# KiCad board chromogram.kicad_pcb (continued)
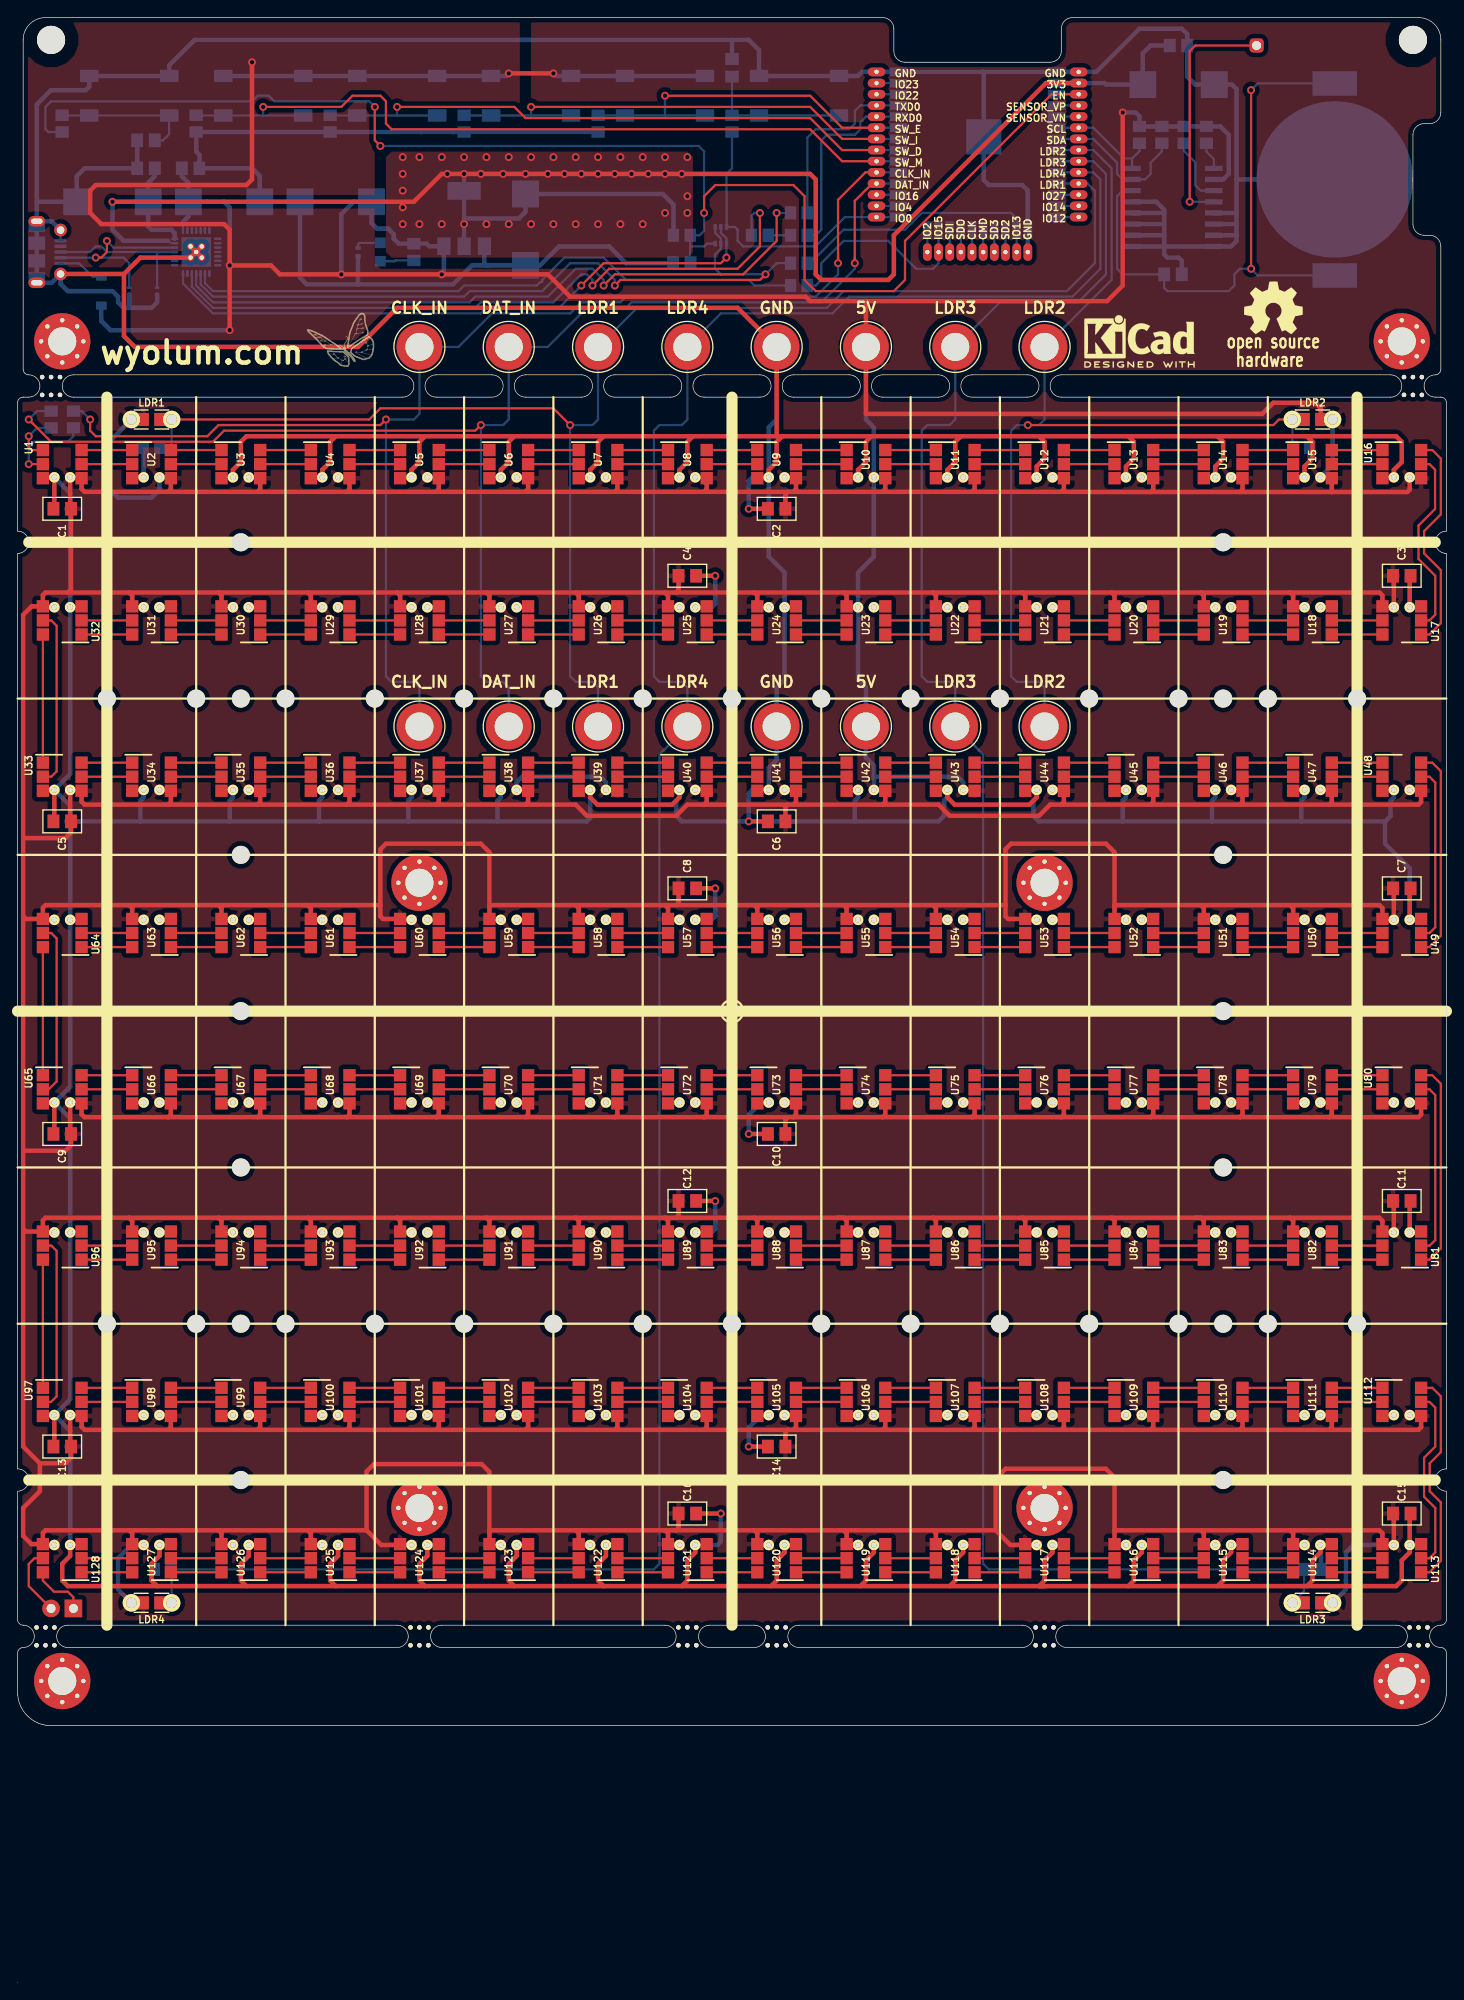
[diagram p0: board, top side]
## Routing (per net, layer and track width the routed paths; a pad name or vN(x,y) marks a point on that pad's centre or on a via; arc(x,y) is an arc through that point) (continued)
  Bottom w0.152: 18.82,200.28 18.82,199.88 18.82,199.88 U132.8
  Bottom w0.508: 48.5,197.49 U131.3 ; U131.3 46.84,197.51 46.55,197.8 R4.1 43.37,197.8 42.8,198.37 42.8,198.88 42.16,199.52 40.89,199.52 40.26,200.15 C17.1 38.23,202.56 36.83,201.17 v1(36.83,194.31) ; U131.3 48.5,194.55 v1(48.26,194.31) ; LDR3.1 151.13,44.7 151.13,48.89 152,49.76 U113.4 ; LDR4.1 11.43,44.7 11.43,48.26 12.93,49.76 U127.4 ; 148.22,171.22 149.61,172.61 LDR2.1 ; LDR1.1 10.16,175.01 10.16,170.18 11.43,168.91 15.24,168.91 16.14,169.81 U2.4 ; 97.42,137.16 97.42,138.44 96.52,139.34 J15.1 96.52,147.32 95.62,148.22 U23.4 95.62,160.39 97.42,162.19 U10.4 97.42,176.9 96.52,177.8 J7.1 ; 97.42,137.16 U42.4 ; 97.42,137.16 106.93,137.16 107.58,136.51 U43.4 ; C25.1 19.43,204.72 18.68,205.47 C26.1 ; C25.1 19.43,200.89 18.82,200.28 ; C25.1 23.49,202.56 24.13,201.93 v1(24.13,195.33) ; v1(55.88,217.17) 55.59,216.88 S2.1 S5.3 S5.1 S6.3 26.67,216.88 ; U130.2 137.16,205.1 137.8,205.74 137.8,210.19 136.84,211.14 R7.1 R6.1 R9.1 R8.1 127.64,212.3 127.21,212.72 v1(125.73,212.72) ; S6.1 26.67,216.88 ; 26.67,216.88 v1(26.67,218.44) ; v1(60.96,217.17) 61.25,216.88 S1.1 S1.3 ; v1(24.13,187.96) 10.56,187.96 9.52,189 9.52,190.75 ; 56.78,135.66 56.78,136.51 57.43,137.16 66.29,137.16 66.94,136.51 U39.4
GND: length 1676
  Top w0.508: 148.22,120.88 149.42,120.88 U50.3 ; C15.1 158.38,53.24 158.38,49.76 ; 12.11,194.35 12.11,187.28 13.34,186.06 38.74,186.06 43.18,190.5 81.92,190.5 J8.1 86.36,175.89 ; 12.11,194.35 13.97,196.21 U132.29 U132.29 ; 12.11,194.35 P1.6 ; U21.3 118.94,156.44 U21.3 ; 145.12,100 145.22,100.1 U79.3 ; 46.35,175.89 56.52,175.89 ; 46.35,175.89 36.2,175.89 ; 46.35,175.89 45.72,175.26 45.72,172.97 44.82,172.07 U5.3 43.62,171.22 U5.3 ; 56.52,175.89 55.88,175.26 55.88,172.97 54.98,172.07 U6.3 53.78,171.22 U6.3 ; 56.52,175.89 66.68,175.89 ; U112.3 155.38,64.54 155.28,64.44 ; U56.3 88.46,120.88 U56.3 ; 126.37,45.08 116.21,45.08 ; 126.37,45.08 127,45.72 127,48.01 127.9,48.91 U116.3 129.1,49.76 U116.3 ; 126.37,45.08 136.53,45.08 ; 116.21,45.08 116.84,45.08 106.05,45.08 ; 116.21,45.08 116.84,45.72 116.84,48.01 117.74,48.91 U117.3 118.94,49.76 U117.3 ; U62.3 27.5,120.88 U62.3 ; U122.3 68.14,49.76 U122.3 66.94,48.53 66.04,47.62 66.04,45.72 66.68,45.08 ; 76.84,175.89 76.2,175.26 76.2,172.97 75.3,172.07 U8.3 74.1,171.22 U8.3 ; 76.84,175.89 66.68,175.89 ; 76.84,175.89 86.36,175.89 ; C11.1 158.38,88.8 158.38,85.32 159.58,85.32 U81.3 ; U49.3 159.58,120.88 158.38,120.88 158.38,124.36 C7.1 ; 107.31,175.89 106.68,175.26 106.68,172.97 105.78,172.07 U11.3 104.58,171.22 U11.3 ; 107.31,175.89 116.21,175.89 ; 107.31,175.89 97.16,175.89 ; 56.52,45.08 46.35,45.08 ; 56.52,45.08 55.88,45.72 55.88,47.62 56.78,48.53 56.78,49.76 57.98,49.76 U123.3 ; 56.52,45.08 66.68,45.08 ; 46.35,45.08 45.72,45.72 45.72,47.62 46.62,48.53 46.62,49.76 47.82,49.76 47.92,49.86 ; 46.35,45.08 36.2,45.08 ; U70.3 53.78,100.1 U70.3 ; U95.3 17.34,85.32 U95.3 ; U38.3 53.78,135.66 U38.3 ; U24.3 88.46,156.44 U24.3 ; U86.3 108.78,85.32 U86.3 ; U20.3 129.1,156.44 U20.3 ; 66.68,175.89 66.04,175.26 66.04,172.97 65.14,172.07 U7.3 63.94,171.22 U7.3 ; 46.62,120.88 47.82,120.88 47.92,120.98 ; U66.3 13.14,100.1 U66.3 ; U51.3 139.26,120.88 U51.3 ; U63.3 17.34,120.88 U63.3 ; U35.3 23.3,135.66 U35.3 ; U83.3 139.26,85.32 U83.3 ; 95.89,45.08 85.72,45.08 ; 95.89,45.08 106.05,45.08 ; 95.89,45.08 96.52,45.72 96.52,48.01 97.42,48.91 U119.3 98.62,49.76 U119.3 ; 85.72,45.08 86.36,45.72 86.36,48.01 87.26,48.91 U120.3 88.46,49.76 U120.3 ; 85.72,45.08 75.56,45.08 ; 15.88,45.08 15.24,45.72 15.24,47.62 16.14,48.53 U127.3 17.34,49.76 U127.3 ; 15.88,45.08 5.72,45.08 5.08,45.72 5.08,47.62 5.98,48.53 U128.3 7.18,49.76 U128.3 ; 15.88,45.08 26.04,45.08 ; 36.2,175.89 26.04,175.89 25.4,175.26 25.4,172.97 24.5,172.07 U3.3 23.3,171.22 U3.3 ; 36.2,175.89 35.56,175.26 35.56,172.97 34.66,172.07 U4.3 33.46,171.22 U4.3 ; U96.3 7.18,85.32 U96.3 ; 84.16,100 84.26,100.1 U73.3 ; U87.3 98.62,85.32 U87.3 ; 136.53,175.89 137.16,175.26 137.16,173.35 136.26,172.45 U14.3 135.06,171.22 U14.3 ; 136.53,175.89 146.69,175.89 ; 136.53,175.89 126.37,175.89 ; U93.3 37.66,85.32 U93.3 ; U88.3 88.46,85.32 U88.3 ; v1(80.01,53.34) C16.1 ; U121.3 78.3,49.76 U121.3 77.1,48.91 76.2,48.01 76.2,45.72 75.56,45.08 ; U47.3 145.22,135.66 145.12,135.56 ; U110.3 135.06,64.54 U110.3 ; U17.3 159.58,156.44 158.38,156.44 158.38,159.92 C3.1 ; 146.69,175.89 156.84,175.89 157.48,175.26 157.48,172.97 156.58,172.07 U16.3 155.38,171.22 155.28,171.12 ; 146.69,175.89 147.32,175.26 147.32,173.35 146.42,172.45 U15.3 145.22,171.22 145.12,171.12 ; 36.2,45.08 26.04,45.08 ; 36.2,45.08 35.56,45.72 35.56,47.62 36.46,48.53 U125.3 37.66,49.76 U125.3 ; 26.04,45.08 25.4,45.72 25.4,47.62 26.3,48.53 U126.3 27.5,49.76 U126.3 ; 146.69,45.08 147.32,45.72 147.32,48.01 148.22,48.91 148.22,49.76 149.42,49.76 U114.3 ; 146.69,45.08 136.53,45.08 ; 146.69,45.08 156.84,45.08 157.48,45.72 157.48,48.01 158.38,48.91 158.38,49.76 ; U84.3 129.1,85.32 U84.3 ; U55.3 98.62,120.88 U55.3 ; U46.3 135.06,135.66 U46.3 ; 145.12,64.44 145.22,64.54 U111.3 ; U19.3 139.26,156.44 U19.3 ; U30.3 27.5,156.44 U30.3 ; U89.3 78.3,85.32 U89.3 ; U104.3 74.1,64.54 U104.3 ; U109.3 124.9,64.54 U109.3 ; U42.3 94.42,135.66 U42.3 ; 46.62,85.32 47.82,85.32 47.92,85.42 ; U58.3 68.14,120.88 U58.3 ; U29.3 37.66,156.44 U29.3 ; U68.3 33.46,100.1 U68.3 ; C9.1 4.18,96.62 U65.3 2.98,100.1 U65.3 ; U102.3 53.78,64.54 U102.3 ; U97.3 2.98,64.54 U97.3 4.18,61.06 C13.1 ; U106.3 94.42,64.54 U106.3 ; U37.3 43.62,135.66 U37.3 ; U103.3 63.94,64.54 U103.3 ; U99.3 23.3,64.54 U99.3 ; U82.3 149.42,85.32 148.22,85.32 ; U94.3 27.5,85.32 U94.3 ; U74.3 94.42,100.1 U74.3 ; U31.3 17.34,156.44 U31.3 ; U52.3 129.1,120.88 U52.3 ; U75.3 104.58,100.1 U75.3 ; U22.3 108.78,156.44 U22.3 ; U76.3 114.74,100.1 U76.3 ; U100.3 33.46,64.54 U100.3 ; U67.3 23.3,100.1 U67.3 ; 84.16,171.12 84.26,171.22 U9.3 85.46,172.07 86.36,172.97 86.36,175.26 87,175.89 ; C5.1 4.18,132.18 U33.3 2.98,135.66 U33.3 ; U101.3 43.62,64.54 U101.3 ; 56.78,85.32 57.98,85.32 U91.3 ; 126.37,175.89 116.21,175.89 ; 126.37,175.89 127,175.26 127,173.35 126.1,172.45 U13.3 124.9,171.22 U13.3 ; 136.53,45.08 137.16,45.72 137.16,48.01 138.06,48.91 U115.3 139.26,49.76 U115.3 ; C1.1 4.18,167.74 U1.3 2.98,171.22 U1.3 ; U72.3 74.1,100.1 U72.3 ; U132.29 U132.29 ; U132.29 U132.29 ; U132.29 U132.29 ; 155.28,135.56 155.38,135.66 U48.3 ; 116.21,175.89 116.84,175.26 116.84,173.35 115.94,172.45 U12.3 114.74,171.22 U12.3 ; U45.3 124.9,135.66 U45.3 ; v1(83.19,96.52) C10.1 ; U71.3 63.94,100.1 U71.3 ; U23.3 98.62,156.44 U23.3 ; U98.3 13.14,64.54 U98.3 ; 155.28,100 155.38,100.1 U80.3 ; U61.3 37.66,120.88 U61.3 ; U34.3 13.14,135.66 U34.3 ; U113.3 159.58,49.76 158.38,49.76 ; U26.3 68.14,156.44 U26.3 ; U36.3 33.46,135.66 U36.3 ; 106.05,45.08 106.68,45.72 106.68,48.01 107.58,48.91 U118.3 108.78,49.76 U118.3 ; U53.3 118.94,120.88 U53.3 ; 86.36,175.89 87,175.89 ; 97.16,175.89 96.52,175.26 96.52,172.97 95.62,172.07 U10.3 94.42,171.22 U10.3 ; 97.16,175.89 87,175.89 ; U54.3 108.78,120.88 U54.3 ; U69.3 43.62,100.1 U69.3 ; v1(79.38,88.9) C12.1 ; U64.3 7.18,120.88 U64.3 ; U85.3 118.94,85.32 U85.3 ; 84.16,135.56 84.26,135.66 U41.3 ; 75.56,45.08 66.68,45.08 ; U77.3 124.9,100.1 U77.3 ; U32.3 7.18,156.44 U32.3 ; U2.3 13.14,171.22 U2.3 ; U57.3 78.3,120.88 U57.3 ; U25.3 78.3,156.44 U25.3 ; v1(79.38,124.46) C8.1 ; U90.3 68.14,85.32 U90.3 ; v1(83.19,132.08) C6.1 ; U39.3 63.94,135.66 U39.3 65.14,134.81 65.97,133.98 74.47,133.98 75.3,134.81 U40.3 74.1,135.66 U40.3 ; 47.92,156.54 47.82,156.44 46.62,156.44 ; U44.3 114.74,135.66 U44.3 115.94,134.81 115.11,133.98 106.61,133.98 105.78,134.81 U43.3 104.58,135.66 U43.3 ; 56.78,156.44 57.98,156.44 U27.3 ; U18.3 149.42,156.44 148.22,156.44 ; U78.3 135.06,100.1 U78.3 ; v1(83.19,167.64) C2.1 ; v1(79.38,160.02) C4.1 ; v1(83.19,60.96) C14.1 ; U108.3 114.74,64.54 U108.3 ; U107.3 104.58,64.54 U107.3 ; U105.3 84.26,64.54 84.16,64.44 ; 56.78,120.88 57.98,120.88 U59.3
  Bottom w0.152: U132.3 19.15,196.35
  Bottom w0.254: P1.5 P1.6
  Bottom w0.508: R15.2 15.56,47.94 16.14,48.53 U127.3 ; U15.3 146.42,172.45 147,173.04 R13.2 ; 54.61,132.08 64.77,132.08 65.14,132.45 U39.3 ; 54.61,132.08 44.45,132.08 ; 54.61,132.08 54.61,134.44 54.98,134.81 U38.3 ; 146.05,132.08 135.89,132.08 ; 146.05,132.08 146.05,134.44 146.42,134.81 U47.3 ; 146.05,132.08 155.58,132.08 ; 135.89,132.08 125.73,132.08 ; 135.89,132.08 135.89,134.44 136.26,134.81 U46.3 ; 138.68,200.02 138.68,198.75 ; 138.68,200.02 U130.6 ; 138.68,200.02 138.68,201.29 ; 138.68,198.75 138.68,198.12 138.05,197.49 U130.8 130.45,197.49 ; 138.68,198.75 U130.7 ; 155.58,132.08 155.58,129.54 158.38,126.73 158.38,120.88 ; 155.58,132.08 156.21,132.72 156.21,134.44 156.58,134.81 U48.3 ; U130.12 130.45,201.29 ; 130.45,201.29 130.45,200.02 ; 130.45,201.29 130.45,201.66 129.54,202.56 U130.13 ; P1.6 P1.6 P1.6 P1.6 P1.6 P1.6 3.89,193.35 P1.6 4.89,193.23 5.72,192.4 10.8,192.4 11.43,191.77 11.43,191.13 12.06,190.5 12.7,190.5 ; P1.6 3.89,200.35 P1.6 ; P1.6 2.19,202.56 ; U57.3 78.97,120.88 79.38,121.28 v1(79.38,124.46) ; v1(80.01,53.34) 80.01,50.16 79.61,49.76 U121.3 ; U34.3 14.34,134.81 13.97,134.44 13.97,132.08 ; 125.73,132.08 125.73,134.44 126.1,134.81 U45.3 ; 125.73,132.08 116.21,132.08 115.57,132.72 115.57,134.44 115.94,134.81 U44.3 ; U36.3 34.66,134.81 34.29,134.44 34.29,132.08 ; U132.29 U132.29 ; U132.29 U132.29 ; U132.29 U132.29 ; U132.29 U132.29 ; U132.29 U132.29 ; 109.86,217.34 109.92,217.27 U129.39 109.92,205.04 110.49,204.47 114.3,204.47 114.94,203.83 U129.15 U129.15 ; 109.86,217.34 U129.1 U129.1 122.72,217.34 127.64,222.25 132.46,222.25 133.08,221.63 C28.2 133.08,216.81 133.99,215.9 C27.2 138.18,215.9 138.68,215.39 138.68,205.1 ; 109.86,217.34 U129.38 U129.38 96.06,217.34 95.59,216.88 S4.2 S4.4 84.35,219.81 83.19,220.98 81.28,220.98 ; 130.45,200.02 U130.11 ; 130.45,200.02 130.45,198.75 ; U9.3 83.59,171.22 83.19,170.81 v1(83.19,167.64) ; U9.3 85.46,162.19 87.26,160.39 U24.3 87.26,148.22 86.36,147.32 J16.1 86.36,139.06 85.46,138.16 U41.3 83.59,135.66 83.19,135.25 v1(83.19,132.08) ; U9.3 85.46,176.9 86.36,177.8 J8.1 ; 44.45,132.08 44.45,134.44 44.82,134.81 U37.3 ; 44.45,132.08 34.29,132.08 ; D3.1 15.88,191.13 15.24,190.5 12.7,190.5 ; 130.45,197.49 130.45,196.58 130.81,196.21 132.08,196.21 132.45,195.85 C22.2 ; 130.45,197.49 U130.9 ; 130.45,197.49 130.45,198.75 ; 81.28,220.98 20.14,220.98 17.25,218.09 S3.2 S3.4 8.15,215.67 7.74,215.26 3.81,215.26 2.19,213.64 2.19,202.56 ; 81.28,220.98 C21.2 ; JP1.1 38.74,193.17 ; 38.74,193.17 49.53,193.17 51.69,195.33 53.34,195.33 ; 38.74,193.17 32.89,193.17 32.13,193.93 C17.2 C25.2 27.56,205.49 26.67,206.38 C26.2 20.68,207.91 20.32,208.28 R25.2 R24.2 45.89,210.5 45.9,210.51 49.54,210.51 49.54,210.5 R11.2 R10.2 ; 5.98,132.08 13.97,132.08 ; 5.98,132.08 5.98,133.86 U33.3 5.98,137.46 U32.3 5.98,169.42 U1.3 ; 5.98,132.08 U64.3 5.98,101.9 U65.3 5.98,98.3 U96.3 5.98,66.34 U97.3 5.98,62.74 U128.3 ; 13.97,132.08 24.13,132.08 ; 53.34,195.33 C18.2 59.44,195.33 61.6,197.49 67.31,197.49 69.22,195.58 C19.2 ; 53.34,195.33 53.1,195.57 U131.1 ; v1(83.19,60.96) 83.19,63.11 84.61,64.54 U105.3 ; 148.22,49.76 148.27,49.71 R14.2 ; U40.3 75.3,134.81 74.93,134.44 74.93,132.72 75.56,132.08 v1(83.19,132.08) ; BT1.2 138.68,205.1 ; 138.68,205.1 138.68,201.29 ; U132.29 U132.29 19.15,196.35 ; U132.29 U132.29 ; v1(83.19,132.08) 95.25,132.08 ; 95.25,132.08 95.25,134.44 95.62,134.81 U42.3 ; 95.25,132.08 104.78,132.08 105.41,132.72 105.41,134.44 105.78,134.81 U43.3 ; 24.13,132.08 24.13,134.44 24.5,134.81 U35.3 ; 24.13,132.08 34.29,132.08 ; U130.10 130.45,198.75 ; U130.5 138.68,201.29 ; U73.3 84.61,100.1 83.19,98.67 v1(83.19,96.52) ; 12.7,190.5 D4.1 ; 2.19,202.56 C23.2 6.73,205.49 7.62,206.38 C24.2 C20.2 ; U132.29 U132.29 ; R12.2 14.34,174.57 U2.3 ; U89.3 78.97,85.32 79.38,85.72 v1(79.38,88.9) ; U25.3 78.97,156.44 79.38,156.84 v1(79.38,160.02)
